# Altium PCB Evaluation Board.PcbDoc (part 20 of 22)
Units mm, origin at the board's own origin, x right, y up, seen from the top; angles counter-clockwise.
Board outline 200 x 200 mm, 4 copper layers (Top Layer, GND, Power, Bottom Layer), stack 1.56 mm thick; 639 components, 758 nets, 3043 pads, 1306 vias.
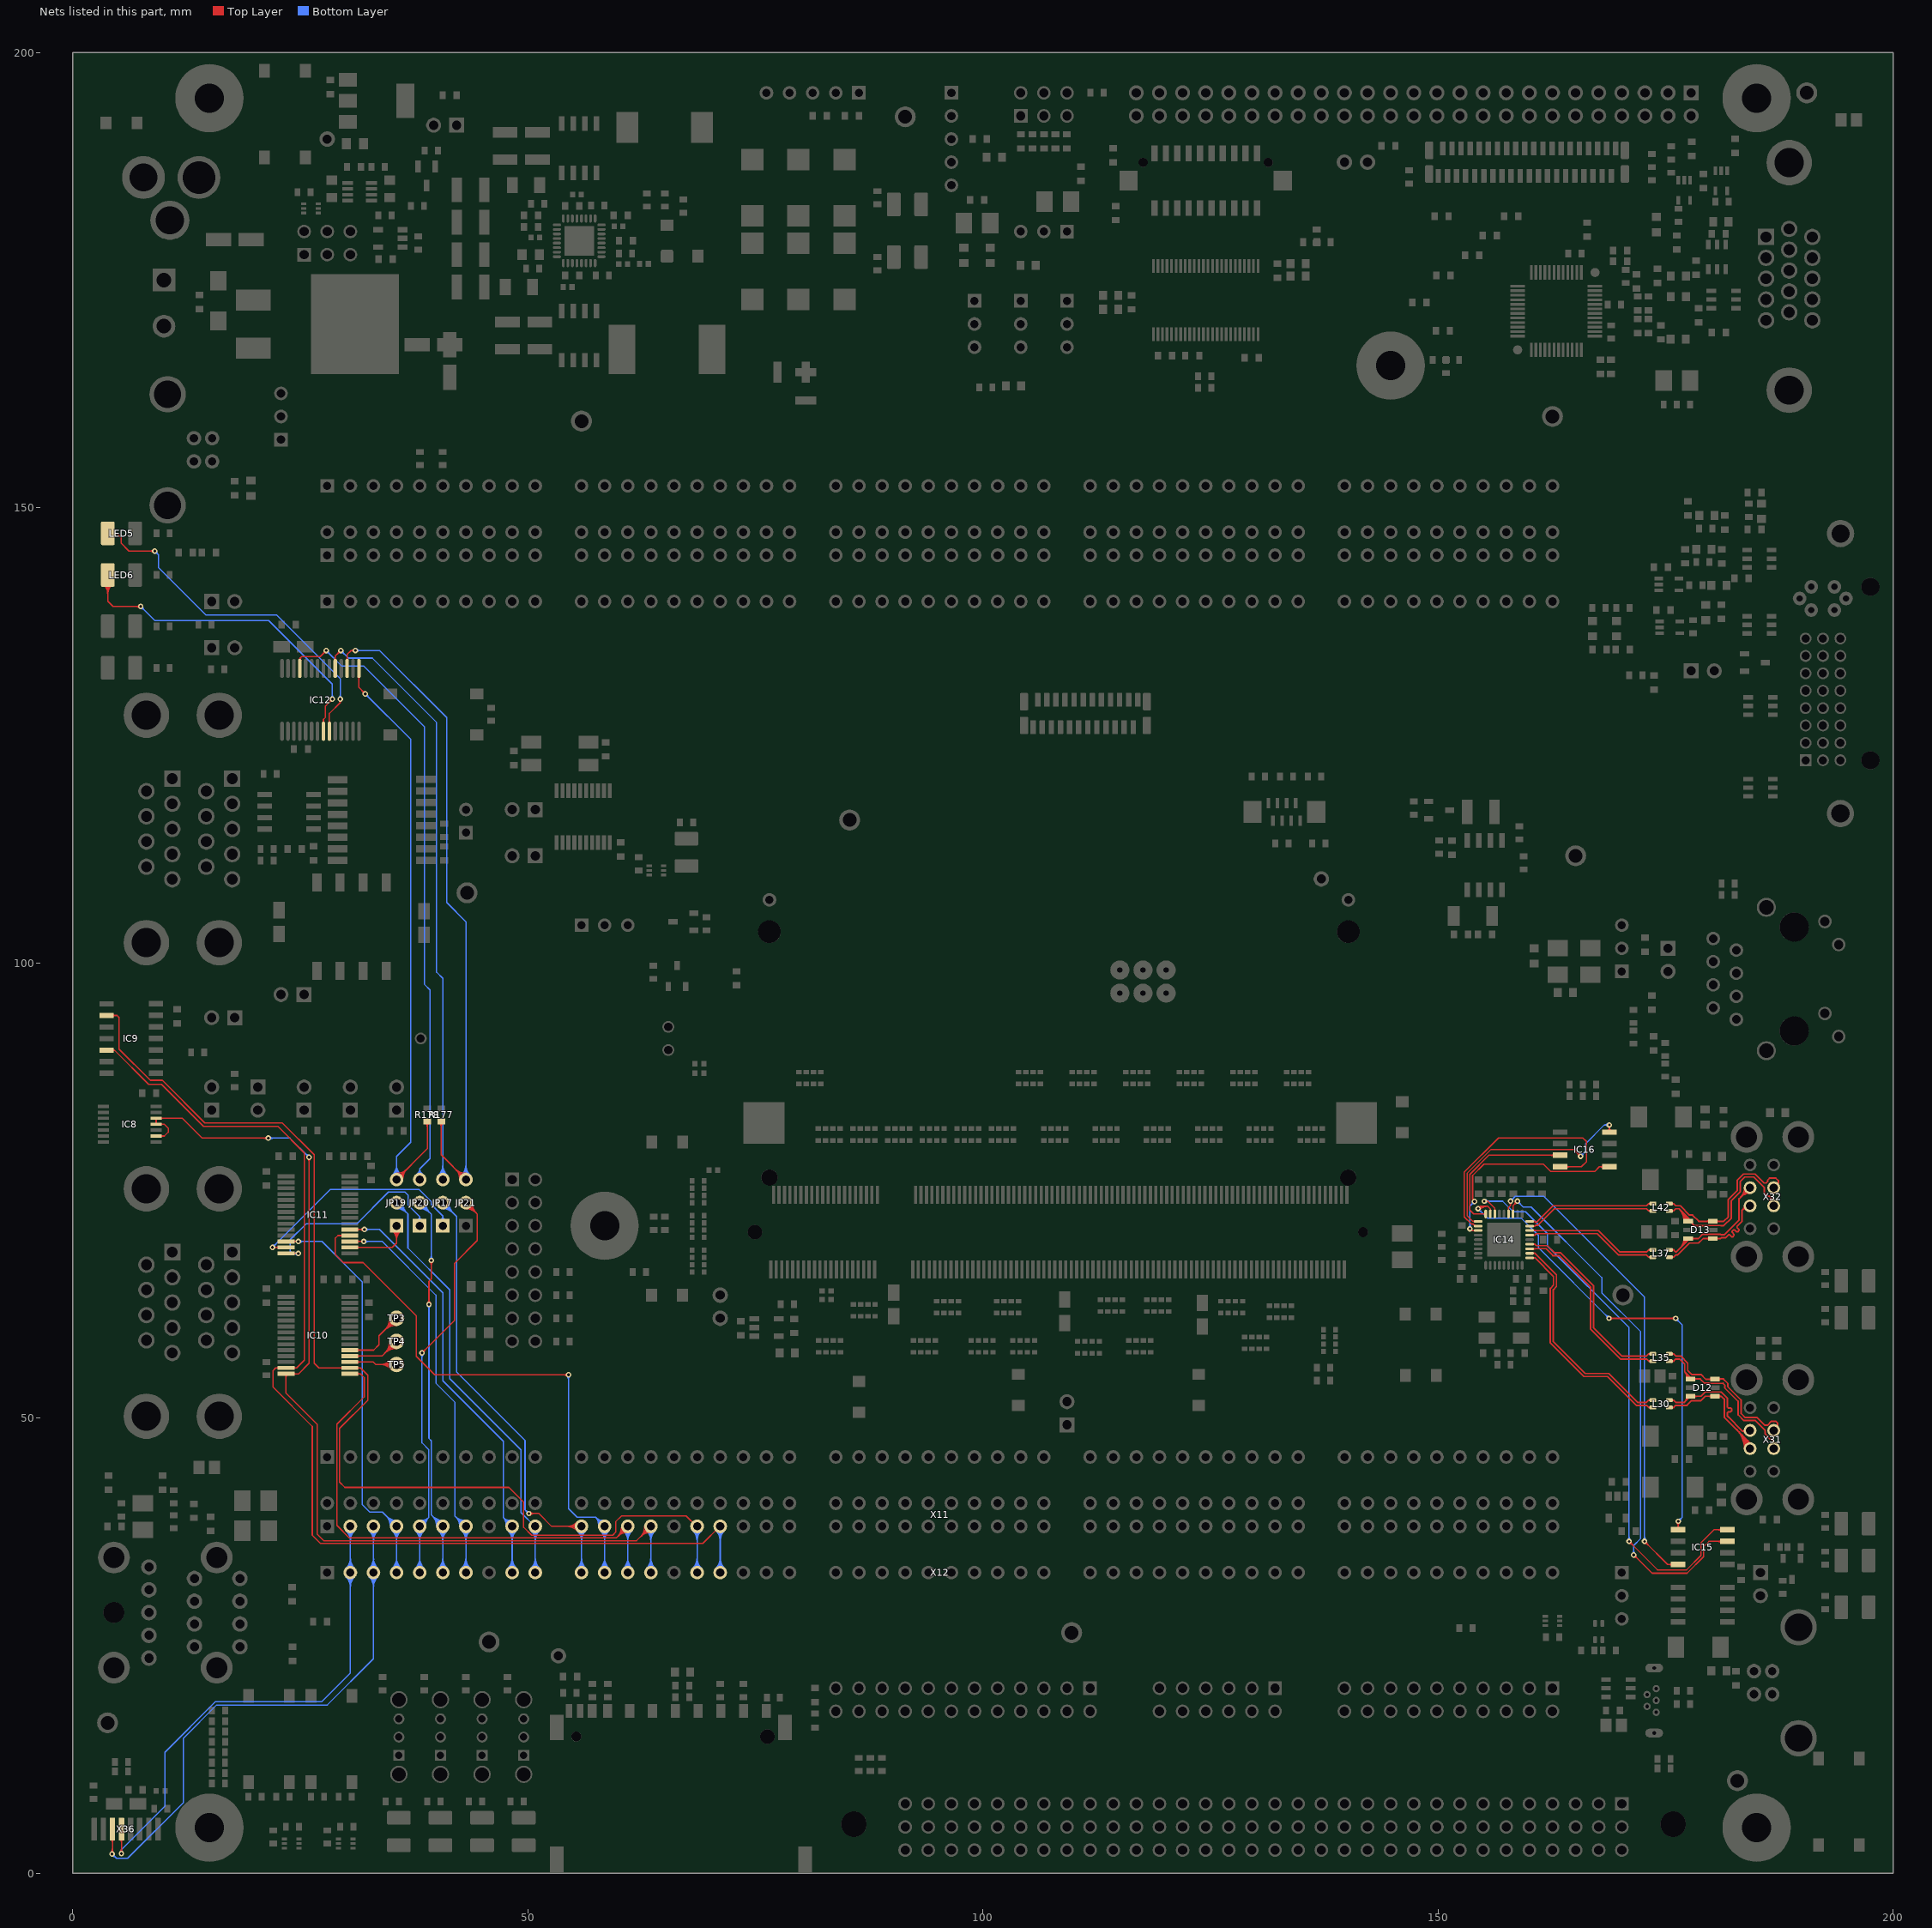
[diagram p22: the nets of this part, all layers, seen from the top]

## Via types
v1: diameter 0.6, hole 0.3, Top Layer to Bottom Layer, 1222 vias
v2: diameter 0.6, hole 0.3, Top Layer to Bottom Layer, tented both sides, 84 vias

## Nets (pads, with @x,y where several pads share a name; then routed paths per layer and width w, separated by ;. In a path a pad name is that pad's centre, name@x,y a point inside that pad or via, vN(x,y) a via of type N, cw(c..) or ccw(c..) an arc to the next point about the centre after c; other vN are vias at no path point) (continued)
UART_A_D_CTS: JP21.2 X11.A5 X12.5 | length 68.6
  Top Layer w0.15: v1(38.354,57.15) 41.935,60.731 41.935,67.005 44.43,69.5 44.43,72.41 JP21.2@43.18,73.66 ; v1@38.354,57.375 ccw(c38.354,57.918) 38.738,57.534 ccw(c39.122,57.15) v1@38.579,57.15 ; JP21.2@43.18,72.985 cw(c43.18,71.355) 44.332,72.508 cw(c45.485,73.66) JP21.2@43.855,73.66 ; JP21.2@43.18,73.135 cw(c43.18,71.868) 44.076,72.764 cw(c44.972,73.66) JP21.2@43.705,73.66 ; JP21.2@43.18,73.285 cw(c43.18,72.38) 43.82,73.02 cw(c44.46,73.66) JP21.2@43.555,73.66
  Bottom Layer w0.15: X12.5@37.623,33.497 ccw(c36.47,34.65) 38.1,34.65 ccw(c39.73,34.65) X12.5@38.577,33.497 ; X11.A5@37.623,37.623 cw(c36.47,36.47) 38.1,36.47 cw(c39.73,36.47) X11.A5@38.577,37.623 ; X12.5@37.729,33.391 ccw(c36.833,34.287) 38.1,34.287 ccw(c39.367,34.287) X12.5@38.471,33.391 ; X11.A5@37.729,37.729 cw(c36.833,36.833) 38.1,36.833 cw(c39.367,36.833) X11.A5@38.471,37.729 ; X12.5@37.835,33.285 ccw(c37.195,33.925) 38.1,33.925 ccw(c39.005,33.925) X12.5@38.365,33.285 ; X11.A5@37.835,37.835 cw(c37.195,37.195) 38.1,37.195 cw(c39.005,37.195) X11.A5@38.365,37.835 ; X12.5@38.1,33.02 X11.A5@38.1,38.1 39.075,39.075 ; X11.A5@38.147,38.472 ccw(c38.221,39.062) 38.642,38.642 ccw(c39.062,38.221) X11.A5@38.472,38.147 ; X11.A5@38.166,38.621 ccw(c38.269,39.447) 38.858,38.858 ccw(c39.447,38.269) X11.A5@38.621,38.166 ; X11.A5@38.184,38.77 ccw(c38.318,39.832) 39.075,39.075 ; v1@38.195,56.991 cw(c37.811,56.607) 38.354,56.607 cw(c38.897,56.607) v1@38.513,56.991 ; v1(38.354,57.15) 38.354,47.279 39.075,46.558 39.075,39.075 ; X11.A5@38.77,38.184 cw(c39.832,38.318) 39.075,39.075
UART_A_D_RTS: JP20.2 X11.A6 X12.6 | length 69.2
  Top Layer w0.15: v1@38.957,62.643 ccw(c38.573,63.027) 39.116,63.027 ccw(c39.659,63.027) v1@39.275,62.643 ; v1(39.116,62.484) 39.116,65.024 39.37,65.278 v1(39.37,67.31) ; v1@39.211,67.151 cw(c38.827,66.767) 39.37,66.767 cw(c39.913,66.767) v1@39.529,67.151
  Bottom Layer w0.15: JP20.2@38.1,72.985 cw(c38.1,71.355) 39.252,72.508 cw(c40.405,73.66) JP20.2@38.775,73.66 ; JP20.2@38.1,73.135 cw(c38.1,71.868) 38.996,72.764 cw(c39.892,73.66) JP20.2@38.625,73.66 ; JP20.2@38.1,73.285 cw(c38.1,72.38) 38.74,73.02 cw(c39.38,73.66) JP20.2@38.475,73.66 ; JP20.2@38.1,73.66 39.37,72.39 v1(39.37,67.31) ; v1@38.957,62.325 cw(c38.573,61.941) 39.116,61.941 cw(c39.659,61.941) v1@39.275,62.325 ; v1(39.116,62.484) 39.116,47.757 39.375,47.498 39.375,39.365 X11.A6@40.64,38.1 X12.6@40.64,33.02 ; v1@39.211,67.469 ccw(c38.827,67.853) 39.37,67.853 ccw(c39.913,67.853) v1@39.529,67.469 ; X11.A6@39.965,38.1 ccw(c38.335,38.1) 39.488,39.252 ccw(c40.64,40.405) X11.A6@40.64,38.775 ; X11.A6@40.115,38.1 ccw(c38.848,38.1) 39.744,38.996 ccw(c40.64,39.892) X11.A6@40.64,38.625 ; X12.6@40.163,33.497 ccw(c39.01,34.65) 40.64,34.65 ccw(c42.27,34.65) X12.6@41.117,33.497 ; X11.A6@40.163,37.623 cw(c39.01,36.47) 40.64,36.47 cw(c42.27,36.47) X11.A6@41.117,37.623 ; X11.A6@40.265,38.1 ccw(c39.36,38.1) 40,38.74 ccw(c40.64,39.38) X11.A6@40.64,38.475 ; X12.6@40.269,33.391 ccw(c39.373,34.287) 40.64,34.287 ccw(c41.907,34.287) X12.6@41.011,33.391 ; X11.A6@40.269,37.729 cw(c39.373,36.833) 40.64,36.833 cw(c41.907,36.833) X11.A6@41.011,37.729 ; X12.6@40.375,33.285 ccw(c39.735,33.925) 40.64,33.925 ccw(c41.545,33.925) X12.6@40.905,33.285 ; X11.A6@40.375,37.835 cw(c39.735,37.195) 40.64,37.195 cw(c41.545,37.195) X11.A6@40.905,37.835
UART_A_D_RXD: JP19.2 X11.A10 X12.10 | length 64.9
  Bottom Layer w0.15: JP19.2@35.56,72.985 cw(c35.56,71.355) 36.712,72.508 cw(c37.865,73.66) JP19.2@36.235,73.66 ; JP19.2@35.56,73.135 cw(c35.56,71.868) 36.456,72.764 cw(c37.352,73.66) JP19.2@36.085,73.66 ; JP19.2@35.56,73.285 cw(c35.56,72.38) 36.2,73.02 cw(c36.84,73.66) JP19.2@35.935,73.66 ; JP19.2@35.56,73.66 36.81,72.41 36.81,68.676 41.402,64.084 41.402,54.331 49.235,46.498 49.235,39.623 50.758,38.1 X11.A10@50.8,38.1 X12.10@50.8,33.02 ; X12.10@50.323,33.497 ccw(c49.17,34.65) 50.8,34.65 ccw(c52.43,34.65) X12.10@51.277,33.497 ; X11.A10@50.323,37.623 cw(c49.17,36.47) 50.8,36.47 cw(c52.43,36.47) X11.A10@51.277,37.623 ; X12.10@50.429,33.391 ccw(c49.533,34.287) 50.8,34.287 ccw(c52.067,34.287) X12.10@51.171,33.391 ; X11.A10@50.429,37.729 cw(c49.533,36.833) 50.8,36.833 cw(c52.067,36.833) X11.A10@51.171,37.729 ; X12.10@50.535,33.285 ccw(c49.895,33.925) 50.8,33.925 ccw(c51.705,33.925) X12.10@51.065,33.285 ; X11.A10@50.535,37.835 cw(c49.895,37.195) 50.8,37.195 cw(c51.705,37.195) X11.A10@51.065,37.835
UART_A_D_TXD: JP17.2 X11.A11 X12.11 | length 75.1
  Top Layer w0.15: v1(50.1,39.5) 50.124,39.524 51.179,39.524 52.603,38.1 X11.A11@55.88,38.1 ; v1@50.259,39.341 cw(c50.702,38.898) 50.702,39.524 ; v1@50.259,39.659 ccw(c50.584,39.984) 50.584,39.524 ; X11.A11@55.403,37.623 ccw(c54.25,36.47) 54.25,38.1 ccw(c54.25,39.73) X11.A11@55.403,38.577 ; X11.A11@55.509,37.729 ccw(c54.613,36.833) 54.613,38.1 ccw(c54.613,39.367) X11.A11@55.509,38.471 ; X11.A11@55.615,37.835 ccw(c54.975,37.195) 54.975,38.1 ccw(c54.975,39.005) X11.A11@55.615,38.365
  Bottom Layer w0.15: JP17.2@40.64,72.985 cw(c40.64,71.355) 41.792,72.508 cw(c42.945,73.66) JP17.2@41.315,73.66 ; JP17.2@40.64,73.135 cw(c40.64,71.868) 41.536,72.764 cw(c42.432,73.66) JP17.2@41.165,73.66 ; JP17.2@40.64,73.285 cw(c40.64,72.38) 41.28,73.02 cw(c41.92,73.66) JP17.2@41.015,73.66 ; JP17.2@40.64,73.66 42.164,72.136 42.164,55.061 49.675,47.55 49.675,39.925 v1(50.1,39.5) ; v1@49.875,39.5 ccw(c49.332,39.5) 49.716,39.884 ccw(c50.1,40.268) v1@50.1,39.725 ; X12.11@55.403,33.497 ccw(c54.25,34.65) 55.88,34.65 ccw(c57.51,34.65) X12.11@56.357,33.497 ; X11.A11@55.403,37.623 cw(c54.25,36.47) 55.88,36.47 cw(c57.51,36.47) X11.A11@56.357,37.623 ; X12.11@55.509,33.391 ccw(c54.613,34.287) 55.88,34.287 ccw(c57.147,34.287) X12.11@56.251,33.391 ; X11.A11@55.509,37.729 cw(c54.613,36.833) 55.88,36.833 cw(c57.147,36.833) X11.A11@56.251,37.729 ; X12.11@55.615,33.285 ccw(c54.975,33.925) 55.88,33.925 ccw(c56.785,33.925) X12.11@56.145,33.285 ; X11.A11@55.615,37.835 cw(c54.975,37.195) 55.88,37.195 cw(c56.785,37.195) X11.A11@56.145,37.835 ; X12.11@55.88,33.02 X11.A11@55.88,38.1
UART_A_DCD: IC11.19 X11.A9 X12.9 | length 65.8
  Top Layer w0.15: IC11.19@30.42,70.715 v1(32.024,70.715) ; IC11.19@31.225,70.589 cw(c31.53,70.284) 31.53,70.715 ; IC11.19@31.225,70.801 ccw(c31.432,71.008) 31.432,70.715 ; v1@31.865,70.556 ccw(c31.481,70.172) 31.481,70.715 ccw(c31.481,71.258) v1@31.865,70.874
  Bottom Layer w0.15: v1(32.024,70.715) 33.679,70.715 40.64,63.754 40.64,54.102 47.285,47.457 47.285,39.075 ; v1@32.183,70.556 cw(c32.568,70.172) 32.568,70.715 cw(c32.568,71.258) v1@32.183,70.874 ; X11.A9@47.59,38.184 ccw(c46.528,38.318) 47.285,39.075 ; X11.A9@47.739,38.166 ccw(c46.913,38.269) 47.502,38.858 ccw(c48.091,39.447) X11.A9@48.194,38.621 ; X12.9@47.783,33.497 ccw(c46.63,34.65) 48.26,34.65 ccw(c49.89,34.65) X12.9@48.737,33.497 ; X11.A9@47.783,37.623 cw(c46.63,36.47) 48.26,36.47 cw(c49.89,36.47) X11.A9@48.737,37.623 ; X11.A9@47.888,38.147 ccw(c47.298,38.221) 47.718,38.642 ccw(c48.139,39.062) X11.A9@48.213,38.472 ; X12.9@47.889,33.391 ccw(c46.993,34.287) 48.26,34.287 ccw(c49.527,34.287) X12.9@48.631,33.391 ; X11.A9@47.889,37.729 cw(c46.993,36.833) 48.26,36.833 cw(c49.527,36.833) X11.A9@48.631,37.729 ; X12.9@47.995,33.285 ccw(c47.355,33.925) 48.26,33.925 ccw(c49.165,33.925) X12.9@48.525,33.285 ; X11.A9@47.995,37.835 cw(c47.355,37.195) 48.26,37.195 cw(c49.165,37.195) X11.A9@48.525,37.835 ; X11.A9@48.176,38.77 cw(c48.042,39.832) 47.285,39.075 ; X12.9@48.26,33.02 X11.A9@48.26,38.1 47.285,39.075
UART_A_DSR: IC11.17 X11.A7 X12.7 | length 62.8
  Top Layer w0.15: IC11.17@30.419,69.416 30.44,69.394 v1(31.948,69.394) ; IC11.17@31.225,69.289 cw(c31.48,69.034) 31.48,69.394 ; IC11.17@31.225,69.501 ccw(c31.482,69.758) 31.482,69.394
  Bottom Layer w0.15: v1(31.948,69.394) 33.984,69.394 39.878,63.5 39.878,53.823 41.986,51.714 41.986,39.218 ; v1@32.107,69.235 cw(c32.491,68.851) 32.491,69.394 cw(c32.491,69.938) v1@32.107,69.553 ; 42.082,39.122 cw(c41.059,38.1) X11.A7@42.505,38.1 ; 42.224,38.98 ccw(c43.087,39.842) X11.A7@43.152,38.624 ; 42.338,38.866 cw(c41.571,38.1) X11.A7@42.655,38.1 ; 42.462,38.742 ccw(c43.111,39.391) X11.A7@43.16,38.474 ; 42.594,38.61 cw(c42.084,38.1) X11.A7@42.805,38.1 ; X12.7@42.703,33.497 ccw(c41.55,34.65) 43.18,34.65 ccw(c44.81,34.65) X12.7@43.657,33.497 ; X11.A7@42.703,37.623 cw(c41.55,36.47) 43.18,36.47 cw(c44.81,36.47) X11.A7@43.657,37.623 ; X12.7@42.809,33.391 ccw(c41.913,34.287) 43.18,34.287 ccw(c44.447,34.287) X12.7@43.551,33.391 ; X11.A7@42.809,37.729 cw(c41.913,36.833) 43.18,36.833 cw(c44.447,36.833) X11.A7@43.551,37.729 ; X12.7@42.915,33.285 ccw(c42.275,33.925) 43.18,33.925 ccw(c44.085,33.925) X12.7@43.445,33.285 ; X11.A7@42.915,37.835 cw(c42.275,37.195) 43.18,37.195 cw(c44.085,37.195) X11.A7@43.445,37.835 ; X11.A7@43.144,38.774 cw(c43.062,40.294) 41.986,39.218 ; X12.7@43.18,33.02 X11.A7@43.18,38.1 43.104,38.1 41.986,39.218
UART_A_DTR: IC11.12 X11.A4 X12.4 | length 63.9
  Top Layer w0.15: IC11.12@23.419,69.395 v1(24.76,69.395) ; IC11.12@24.225,69.289 cw(c24.481,69.033) 24.481,69.395 cw(c24.481,69.757) IC11.12@24.225,69.501
  Bottom Layer w0.15: v1(24.76,69.395) 27.35,69.395 31.775,64.97 31.775,40.506 32.616,39.665 33.995,39.665 X11.A4@35.56,38.1 X12.4@35.56,33.02 ; v1@24.919,69.236 cw(c25.303,68.852) 25.303,69.395 cw(c25.303,69.938) v1@24.919,69.554 ; X11.A4@34.885,38.1 ccw(c33.255,38.1) 34.408,39.252 ccw(c35.56,40.405) X11.A4@35.56,38.775 ; X11.A4@35.035,38.1 ccw(c33.768,38.1) 34.664,38.996 ccw(c35.56,39.892) X11.A4@35.56,38.625 ; X12.4@35.083,33.497 ccw(c33.93,34.65) 35.56,34.65 ccw(c37.19,34.65) X12.4@36.037,33.497 ; X11.A4@35.083,37.623 cw(c33.93,36.47) 35.56,36.47 cw(c37.19,36.47) X11.A4@36.037,37.623 ; X11.A4@35.185,38.1 ccw(c34.28,38.1) 34.92,38.74 ccw(c35.56,39.38) X11.A4@35.56,38.475 ; X12.4@35.189,33.391 ccw(c34.293,34.287) 35.56,34.287 ccw(c36.827,34.287) X12.4@35.931,33.391 ; X11.A4@35.189,37.729 cw(c34.293,36.833) 35.56,36.833 cw(c36.827,36.833) X11.A4@35.931,37.729 ; X12.4@35.295,33.285 ccw(c34.655,33.925) 35.56,33.925 ccw(c36.465,33.925) X12.4@35.825,33.285 ; X11.A4@35.295,37.835 cw(c34.655,37.195) 35.56,37.195 cw(c36.465,37.195) X11.A4@35.825,37.835
UART_A_RI: IC11.18 X11.A12 X12.12 | length 80.8
  Top Layer w0.15: IC11.18@29.613,69.939 ccw(c29.357,69.683) 29.357,70.045 ccw(c29.357,70.407) IC11.18@29.613,70.151 ; IC11.18@30.419,70.045 29.12,70.045 28.804,69.728 28.804,67.985 29.719,67.07 31.888,67.07 37.719,61.239 37.719,56.769 39.746,54.742 v1(54.45,54.742) ; v1@54.291,54.583 ccw(c53.907,54.199) 53.907,54.742 ccw(c53.907,55.285) v1@54.291,54.901
  Bottom Layer w0.15: v1@54.291,54.583 cw(c53.907,54.199) 54.45,54.199 cw(c54.993,54.199) v1@54.609,54.583 ; v1(54.45,54.742) 54.45,40.055 55.405,39.1 57.42,39.1 ; X11.A12@57.749,38.171 ccw(c56.611,38.291) 57.42,39.1 ; X11.A12@57.898,38.155 ccw(c57.013,38.249) 57.642,38.878 ccw(c58.271,39.507) X11.A12@58.365,38.622 ; X12.12@57.943,33.497 ccw(c56.79,34.65) 58.42,34.65 ccw(c60.05,34.65) X12.12@58.897,33.497 ; X11.A12@57.943,37.623 cw(c56.79,36.47) 58.42,36.47 cw(c60.05,36.47) X11.A12@58.897,37.623 ; X11.A12@58.047,38.139 ccw(c57.415,38.206) 57.864,38.656 ccw(c58.314,39.105) X11.A12@58.381,38.473 ; X12.12@58.049,33.391 ccw(c57.153,34.287) 58.42,34.287 ccw(c59.687,34.287) X12.12@58.791,33.391 ; X11.A12@58.049,37.729 cw(c57.153,36.833) 58.42,36.833 cw(c59.687,36.833) X11.A12@58.791,37.729 ; X12.12@58.155,33.285 ccw(c57.515,33.925) 58.42,33.925 ccw(c59.325,33.925) X12.12@58.685,33.285 ; X11.A12@58.155,37.835 cw(c57.515,37.195) 58.42,37.195 cw(c59.325,37.195) X11.A12@58.685,37.835 ; X11.A12@58.349,38.771 cw(c58.229,39.909) 57.42,39.1 ; X12.12@58.42,33.02 X11.A12@58.42,38.1 57.42,39.1
UART_A_RTS: IC11.14 JP20.1 | length 25.8
  Top Layer w0.15: IC11.14@23.419,68.095 23.439,68.075 v1(24.76,68.075) ; IC11.14@24.225,67.989 cw(c24.433,67.781) 24.433,68.075 ; IC11.14@24.225,68.201 ccw(c24.529,68.505) v1@24.529,68.075
  Bottom Layer w0.15: v1@24.601,67.916 ccw(c24.217,67.532) 24.217,68.075 ccw(c24.217,68.618) v1@24.601,68.234 ; v1(24.76,68.075) 24.127,68.075 23.876,68.326 23.876,69.596 25.603,71.323 31.166,71.323 34.671,74.828 36.474,74.828 36.83,74.473 36.83,73.381 38.1,72.111 ; JP20.1@37.853,71.748 ccw(c37.711,72.111) 38.1,72.111 ; JP20.1@37.908,71.609 ccw(c37.797,71.89) 38.1,71.89 ccw(c38.403,71.89) JP20.1@38.292,71.609 ; JP20.1@38.1,71.12 38.1,72.111 ; JP20.1@38.347,71.748 cw(c38.489,72.111) 38.1,72.111
UART_A_RXD: IC11.16 JP19.1 | length 16
  Top Layer w0.15: 32.474,68.745 30.619,68.745 35.095,68.745 35.56,69.21 JP19.1@35.56,71.12 ; JP19.1@35.083,70.643 cw(c33.93,69.49) 35.56,69.49 cw(c37.19,69.49) JP19.1@36.037,70.643 ; JP19.1@35.189,70.749 cw(c34.293,69.853) 35.56,69.853 cw(c36.827,69.853) JP19.1@35.931,70.749 ; JP19.1@35.295,70.855 cw(c34.655,70.215) 35.56,70.215 cw(c36.465,70.215) JP19.1@35.825,70.855 ; 31.481,68.745 ccw(c31.481,68.383) 31.225,68.639 cw(c31.481,68.383) 31.481,68.745 ; 31.481,68.745 cw(c31.481,69.107) 31.225,68.851 ccw(c31.481,69.107) 31.481,68.745
UART_A_TXD: IC11.13 JP17.1 | length 28.8
  Top Layer w0.15: v1(21.925,68.75) 23.414,68.75 IC11.13@23.419,68.745 ; 22.344,68.75 cw(c22.344,68.37) IC11.13@22.613,68.639 ; 22.369,68.75 ccw(c22.369,69.095) IC11.13@22.613,68.851
  Bottom Layer w0.15: v1(21.925,68.75) 28.303,75.128 38.01,75.128 39.37,73.769 39.37,73.457 40.64,72.187 ; v1@21.925,68.975 ccw(c21.925,69.518) 22.309,69.134 ccw(c22.693,68.75) v1@22.15,68.75 ; JP17.1@40.351,71.73 ccw(c40.135,72.187) 40.64,72.187 ; JP17.1@40.415,71.594 ccw(c40.247,71.95) 40.64,71.95 ccw(c41.033,71.95) JP17.1@40.865,71.594 ; JP17.1@40.64,71.12 40.64,72.187 ; JP17.1@40.929,71.73 cw(c41.145,72.187) 40.64,72.187
UART_B_CTS: IC10.15 X11.A13 X12.13 | length 75.9
  Top Layer w0.15: IC10.15@30.419,54.856 31.594,54.856 32,54.45 32,52.324 29,49.324 29,38.201 30.376,36.825 59.685,36.825 X11.A13@60.96,38.1 ; IC10.15@31.225,54.75 cw(c31.481,54.494) 31.481,54.856 cw(c31.481,55.218) IC10.15@31.225,54.962 ; X11.A13@60.285,38.1 cw(c58.655,38.1) 59.808,36.948 cw(c60.96,35.795) X11.A13@60.96,37.425 ; X11.A13@60.435,38.1 cw(c59.168,38.1) 60.064,37.204 cw(c60.96,36.308) X11.A13@60.96,37.575 ; X11.A13@60.585,38.1 cw(c59.68,38.1) 60.32,37.46 cw(c60.96,36.82) X11.A13@60.96,37.725
  Bottom Layer w0.15: X12.13@60.483,33.497 ccw(c59.33,34.65) 60.96,34.65 ccw(c62.59,34.65) X12.13@61.437,33.497 ; X11.A13@60.483,37.623 cw(c59.33,36.47) 60.96,36.47 cw(c62.59,36.47) X11.A13@61.437,37.623 ; X12.13@60.589,33.391 ccw(c59.693,34.287) 60.96,34.287 ccw(c62.227,34.287) X12.13@61.331,33.391 ; X11.A13@60.589,37.729 cw(c59.693,36.833) 60.96,36.833 cw(c62.227,36.833) X11.A13@61.331,37.729 ; X12.13@60.695,33.285 ccw(c60.055,33.925) 60.96,33.925 ccw(c61.865,33.925) X12.13@61.225,33.285 ; X11.A13@60.695,37.835 cw(c60.055,37.195) 60.96,37.195 cw(c61.865,37.195) X11.A13@61.225,37.835 ; X12.13@60.96,33.02 X11.A13@60.96,38.1
UART_B_RTS: IC8.9 IC8.11 IC8.12 IC10.14 X11.A14 X12.14 | length 134.5
  Top Layer w0.15: IC8.11@9.07,82.349 ccw(c8.89,82.528) 9.144,82.528 ccw(c9.397,82.528) IC8.11@9.218,82.349 ; IC8.12@9.07,82.851 cw(c8.89,82.671) 9.144,82.671 cw(c9.397,82.671) IC8.12@9.218,82.851 ; IC8.9@9.144,80.975 10.047,80.975 10.472,81.4 10.472,81.85 10.047,82.275 IC8.11@9.144,82.275 IC8.12@9.144,82.925 12.025,82.925 14.2,80.75 v1(21.475,80.75) ; IC8.9@9.668,80.901 cw(c9.847,80.721) 9.847,80.975 cw(c9.847,81.228) IC8.9@9.668,81.049 ; IC8.11@9.668,82.201 cw(c9.847,82.021) 9.847,82.275 cw(c9.847,82.528) IC8.11@9.668,82.349 ; IC8.12@9.668,82.851 cw(c9.847,82.671) 9.847,82.925 cw(c9.847,83.178) IC8.12@9.668,82.999 ; v1@21.316,80.591 ccw(c20.932,80.207) 20.932,80.75 ccw(c20.932,81.293) v1@21.316,80.909 ; IC10.14@23.313,54.75 cw(c23.057,54.494) 23.419,54.494 cw(c23.781,54.494) IC10.14@23.525,54.75 ; IC10.14@24.225,54.75 cw(c24.481,54.494) 24.481,54.856 cw(c24.481,55.218) IC10.14@24.225,54.962 ; v1@25.791,78.491 cw(c25.407,78.107) 25.95,78.107 cw(c26.493,78.107) v1@26.109,78.491 ; v1(25.95,78.65) 25.95,56.026 24.78,54.856 IC10.14@23.419,54.856 23.419,52.731 26.822,49.328 26.822,37.262 27.559,36.525 61.925,36.525 X11.A14@63.5,38.1 ; X11.A14@62.825,38.1 cw(c61.195,38.1) 62.348,36.948 cw(c63.5,35.795) X11.A14@63.5,37.425 ; X11.A14@62.975,38.1 cw(c61.708,38.1) 62.604,37.204 cw(c63.5,36.308) X11.A14@63.5,37.575 ; X11.A14@63.125,38.1 cw(c62.22,38.1) 62.86,37.46 cw(c63.5,36.82) X11.A14@63.5,37.725
  Bottom Layer w0.15: v1(21.475,80.75) 23.85,80.75 v1(25.95,78.65) ; v1@21.634,80.591 cw(c22.018,80.207) 22.018,80.75 cw(c22.018,81.293) v1@21.634,80.909 ; v1@25.725,78.65 ccw(c25.182,78.65) 25.566,79.034 ccw(c25.95,79.418) v1@25.95,78.875 ; X12.14@63.023,33.497 ccw(c61.87,34.65) 63.5,34.65 ccw(c65.13,34.65) X12.14@63.977,33.497 ; X11.A14@63.023,37.623 cw(c61.87,36.47) 63.5,36.47 cw(c65.13,36.47) X11.A14@63.977,37.623 ; X12.14@63.129,33.391 ccw(c62.233,34.287) 63.5,34.287 ccw(c64.767,34.287) X12.14@63.871,33.391 ; X11.A14@63.129,37.729 cw(c62.233,36.833) 63.5,36.833 cw(c64.767,36.833) X11.A14@63.871,37.729 ; X12.14@63.235,33.285 ccw(c62.595,33.925) 63.5,33.925 ccw(c64.405,33.925) X12.14@63.765,33.285 ; X11.A14@63.235,37.835 cw(c62.595,37.195) 63.5,37.195 cw(c64.405,37.195) X11.A14@63.765,37.835 ; X12.14@63.5,33.02 X11.A14@63.5,38.1
UART_B_RXD: IC9.2 IC10.16 X11.A16 X12.16 | length 137.9
  Top Layer w0.15: IC9.2@3.705,94.219 4.856,94.219 5.075,94 5.075,90.526 8.501,87.1 9.83,87.1 14.505,82.425 23,82.425 26.5,78.925 26.5,56.025 27.019,55.506 IC10.16@30.419,55.506 31.594,55.506 32.4,54.7 32.4,51.95 29.3,48.85 29.3,42.958 29.883,42.375 47.904,42.375 49.525,40.754 49.525,37.996 50.396,37.125 59.3,37.125 59.625,37.45 59.625,38.6 60.273,39.248 67.379,39.248 68.526,38.1 X11.A16@68.58,38.1 ; IC9.2@4.339,94.06 cw(c4.723,93.676) 4.723,94.219 cw(c4.723,94.762) IC9.2@4.339,94.378 ; IC10.16@29.613,55.4 ccw(c29.357,55.144) 29.357,55.506 ccw(c29.357,55.868) IC10.16@29.613,55.612 ; IC10.16@31.225,55.4 cw(c31.481,55.144) 31.481,55.506 cw(c31.481,55.868) IC10.16@31.225,55.612
  Bottom Layer w0.15: X12.16@68.103,33.497 ccw(c66.95,34.65) 68.58,34.65 ccw(c70.21,34.65) X12.16@69.057,33.497 ; X11.A16@68.103,37.623 cw(c66.95,36.47) 68.58,36.47 cw(c70.21,36.47) X11.A16@69.057,37.623 ; X12.16@68.209,33.391 ccw(c67.313,34.287) 68.58,34.287 ccw(c69.847,34.287) X12.16@68.951,33.391 ; X11.A16@68.209,37.729 cw(c67.313,36.833) 68.58,36.833 cw(c69.847,36.833) X11.A16@68.951,37.729 ; X12.16@68.315,33.285 ccw(c67.675,33.925) 68.58,33.925 ccw(c69.485,33.925) X12.16@68.845,33.285 ; X11.A16@68.315,37.835 cw(c67.675,37.195) 68.58,37.195 cw(c69.485,37.195) X11.A16@68.845,37.835 ; X12.16@68.58,33.02 X11.A16@68.58,38.1
UART_B_TXD: IC9.5 IC10.13 X11.A17 X12.17 | length 137.6
  Top Layer w0.15: IC9.5@3.705,90.409 4.566,90.409 ; IC9.5@4.375,90.298 cw(c4.566,90.19) 4.566,90.409 ; IC9.5@4.375,90.52 ccw(c4.566,90.628) 4.566,90.409 ; IC10.13@22.613,55.4 ccw(c22.357,55.144) 22.357,55.506 ccw(c22.357,55.868) IC10.13@22.613,55.612 ; IC10.13@24.225,55.4 cw(c24.481,55.144) 24.481,55.506 cw(c24.481,55.868) IC10.13@24.225,55.612 ; X11.A17@71.12,38.1 71.076,38.1 69.201,36.225 27.199,36.225 26.3,37.124 26.3,49.075 21.975,53.4 21.975,55.2 22.281,55.506 IC10.13@23.419,55.506 24.581,55.506 25.425,56.35 25.425,79.125 22.525,82.025 14.35,82.025 9.725,86.65 8.325,86.65 4.566,90.409
  Bottom Layer w0.15: X12.17@70.643,33.497 ccw(c69.49,34.65) 71.12,34.65 ccw(c72.75,34.65) X12.17@71.597,33.497 ; X11.A17@70.643,37.623 cw(c69.49,36.47) 71.12,36.47 cw(c72.75,36.47) X11.A17@71.597,37.623 ; X12.17@70.749,33.391 ccw(c69.853,34.287) 71.12,34.287 ccw(c72.387,34.287) X12.17@71.491,33.391 ; X11.A17@70.749,37.729 cw(c69.853,36.833) 71.12,36.833 cw(c72.387,36.833) X11.A17@71.491,37.729 ; X12.17@70.855,33.285 ccw(c70.215,33.925) 71.12,33.925 ccw(c72.025,33.925) X12.17@71.385,33.285 ; X11.A17@70.855,37.835 cw(c70.215,37.195) 71.12,37.195 cw(c72.025,37.195) X11.A17@71.385,37.835 ; X12.17@71.12,33.02 X11.A17@71.12,38.1
UART_C_RXD: X11.A2 X12.2 X36.4 | length 76.1